# EAGLE board ControlModule-pan2 (EAGLE 7.2.0), part 3 of 9
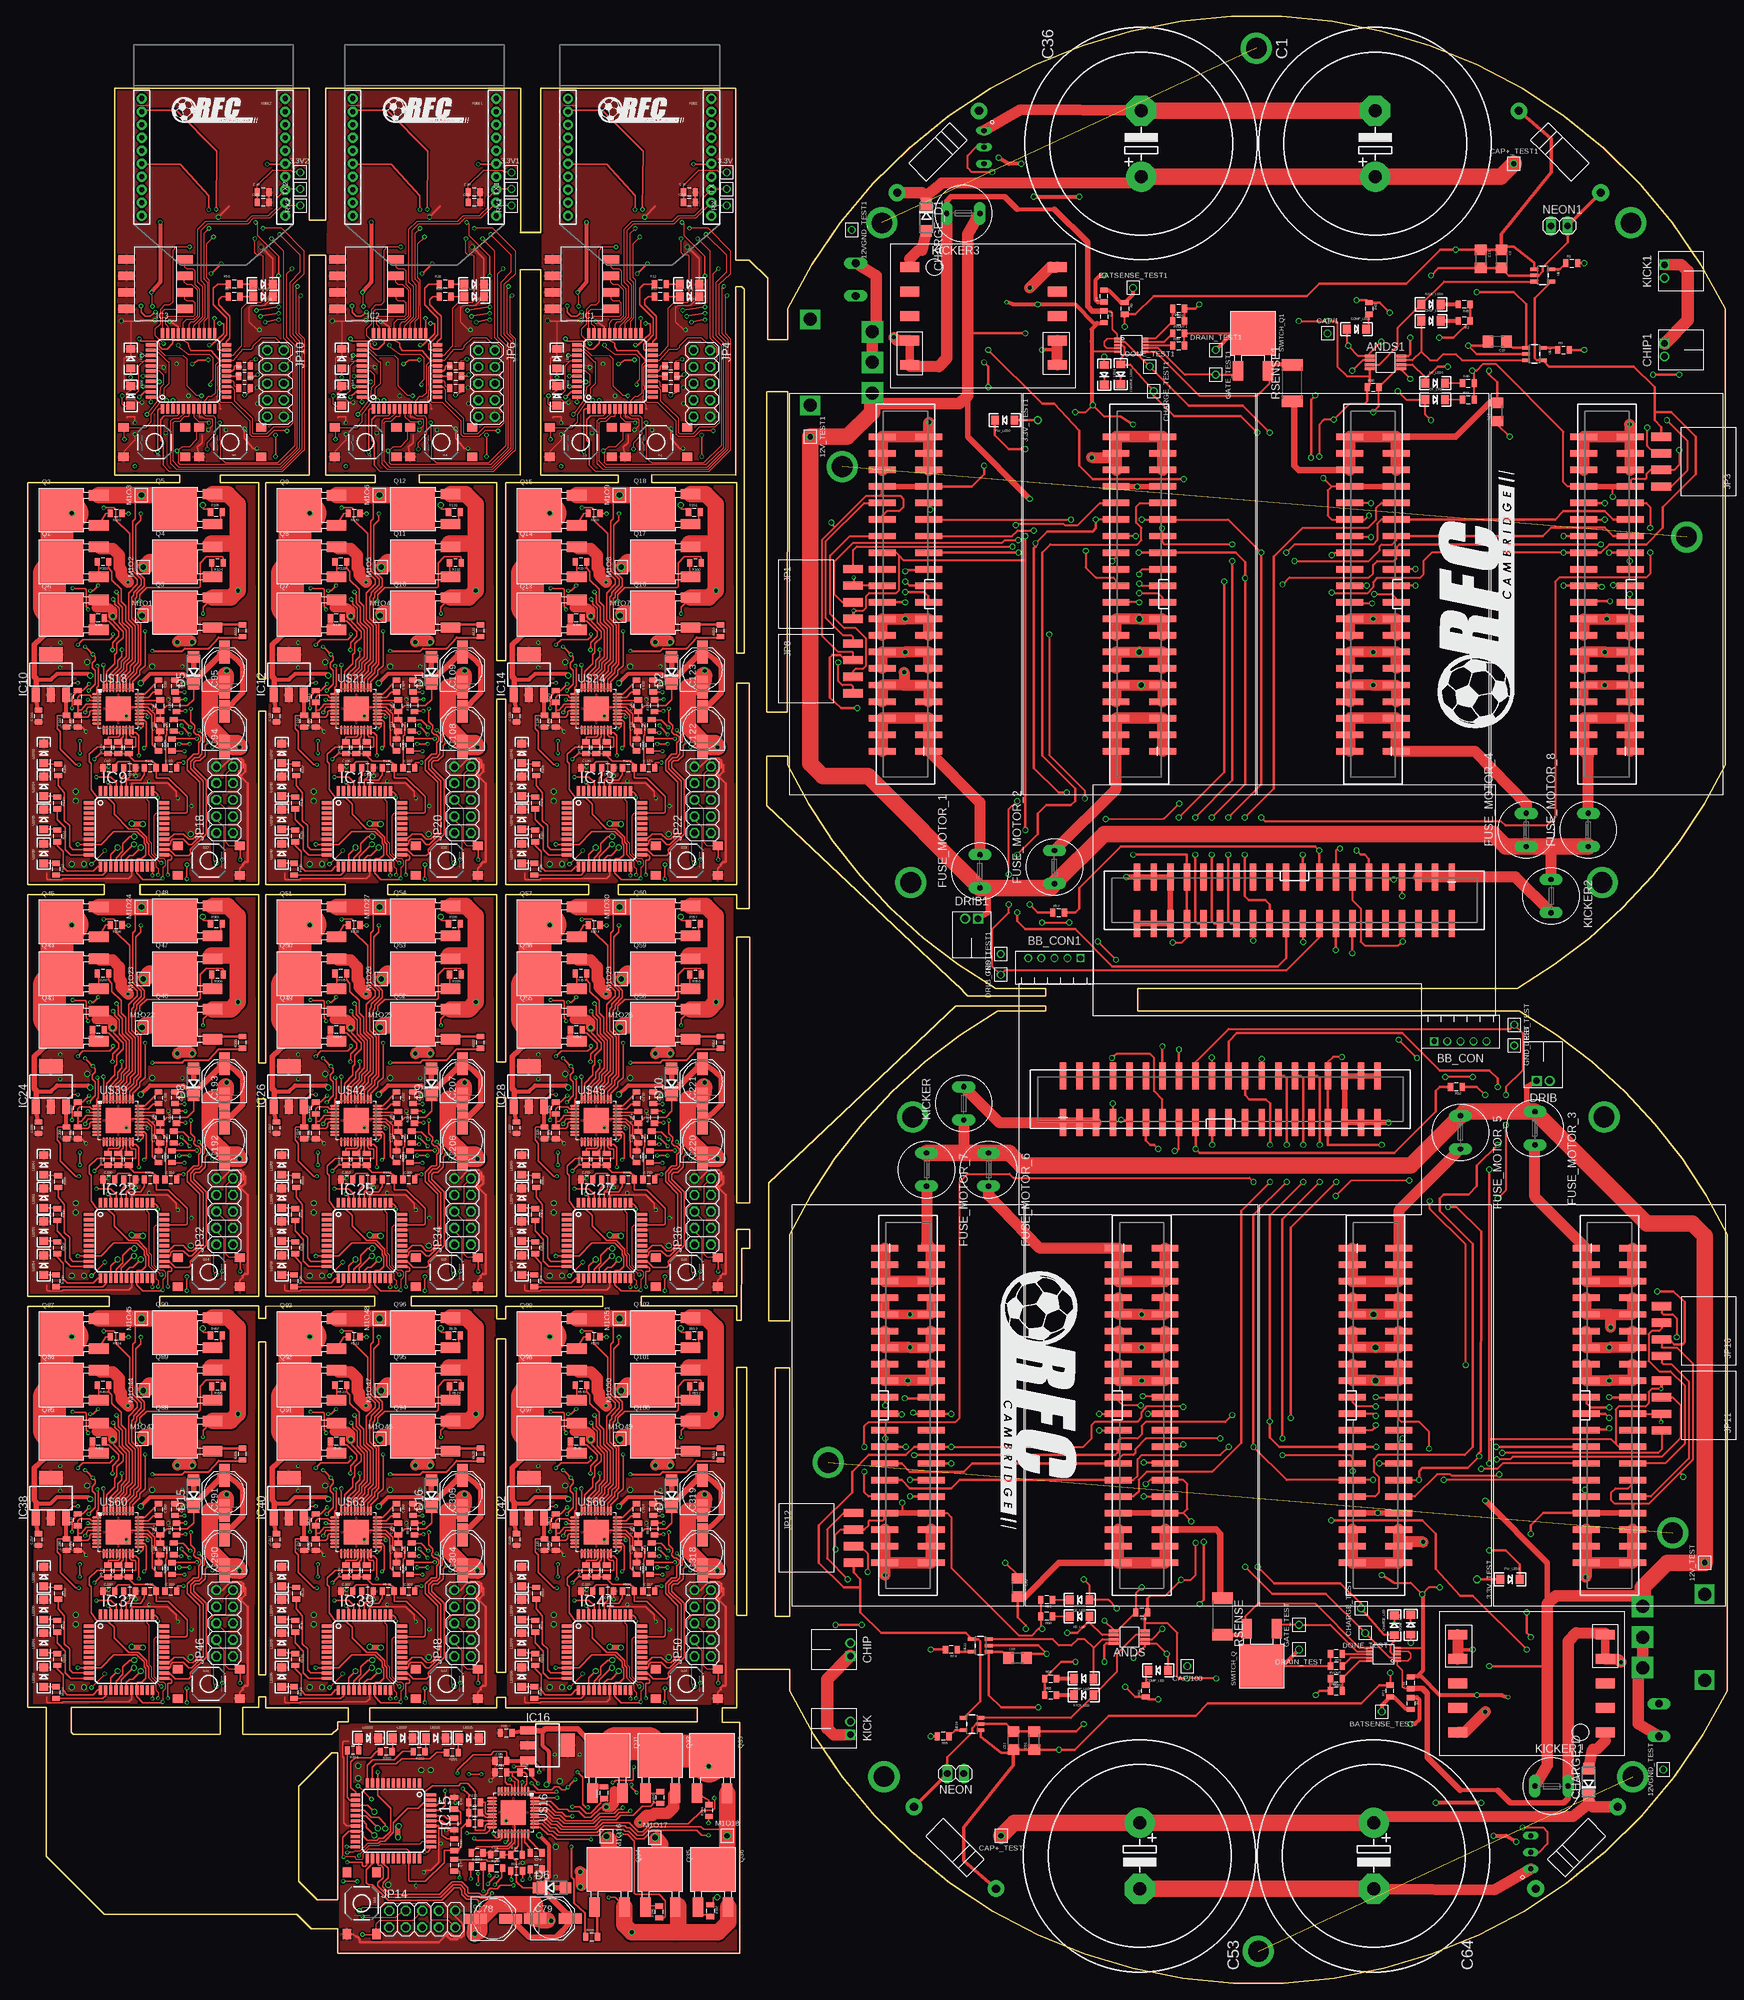
[diagram p0: board, top side]
## Tracks (layer width: path | path; a pad name or v marks a point on that pad's centre or on a via) (continued)
3.3V4  (via drill 0.38, 0.6) (continued)
  Bottom 0.61: C67.1 C66.1 225.39,72.29 C51.1 225.15,70.49 3.3REG4.SOURCE
3.3V6  (via drill 0.3, 0.38)
  Top 0.152: v48.46,19.37 50.21,19.37 50.21,19.21 50.47,18.95 51.22,18.95 51.48,19.21 51.48,19.85 52.27,20.64 58.14,20.64 58.46,20.32 58.46,19.15 IC15.31 | JP14.4 57.51,11.12 56.4,10 51.55,10 v51.36,10.2
  Top 0.254: C86.2 73.49,35.46 73.38,35.56 71.48,35.56 71,35.09 68.3,35.09 65.92,32.71 v65.92,32.23 | v48.46,19.37 48.3,19.53 48.3,22.39 49.27,23.33 IC15.19 51.24,23.34 51.32,23.34 51.48,23.18 51.48,22.55 52.09,21.94 53.58,21.94 53.86,22.21 54.56,22.21 55.67,23.31 55.67,26.84 53.68,28.83 IC15.9 53.68,32.21 v53.7,32.39 | IC16.3 77.44,34.2 78.46,33.18 v78.46,32.39 | IC15.31 58.46,19.11 58.46,15.79 58.63,15.63 61.01,15.63 63.86,18.48 63.86,20.32 63.91,20.38 R200.2 65.6,20.32 66.03,20.32 66.5,21.12 66.5,23.76 67.33,24.59 R210.1 R205.1 R211.1 67.64,28.96 v66.75,29.85
  Top 0.61: C86.2 76.57,34.13 IC16.3
  Bottom 0.178: R209.2 51.63,14.14 51.73,13.99 51.73,10.5 51.43,10.2 v51.36,10.2
  Bottom 0.254: v66.75,29.85 66.4,29.85 65.92,30.33 65.92,31.2 v65.92,32.23 | U$15.1 79.47,33.08 v78.46,32.39 78.3,32.23 73.07,32.23 72.11,31.28 JP13.26 | v48.46,19.37 48.3,19.05 48.3,18.23 49.09,17.44 49.09,10.96 49.85,10.2 v51.36,10.2 | v53.7,32.39 53.7,31.44 53.86,31.28 55.07,31.28 C80.1 C81.1
3.3V8  (via drill 0.3, 0.38)
  Top 0.152: v20.69,169.55 20.69,171.29 20.84,171.29 21.1,171.55 21.1,172.3 20.84,172.56 20.21,172.56 19.42,173.36 19.42,179.23 19.73,179.55 20.91,179.55 IC9.31 | JP18.4 28.94,178.6 30.05,177.49 30.05,172.64 v29.86,172.45
  Top 0.254: C102.2 4.6,194.58 4.49,194.47 4.49,192.57 4.97,192.09 4.97,189.39 7.35,187.01 v7.83,187.01 | v20.69,169.55 20.53,169.39 17.67,169.39 16.73,170.35 IC9.19 16.72,172.33 16.72,172.41 16.88,172.56 17.51,172.56 18.12,173.18 18.12,174.67 17.85,174.95 17.85,175.65 16.74,176.76 13.21,176.76 11.23,174.77 IC9.9 7.85,174.77 v7.67,174.79 | IC10.3 5.85,198.53 6.87,199.55 v7.67,199.55 | IC9.31 20.95,179.55 24.26,179.55 24.43,179.72 24.43,182.1 21.58,184.95 19.73,184.95 19.68,185 R108.2 19.73,186.69 19.73,187.12 18.94,187.59 16.29,187.59 15.47,188.42 R118.1 R113.1 R119.1 11.09,188.72 v10.21,187.84
  Top 0.61: C102.2 5.92,197.65 IC10.3
  Bottom 0.178: R117.2 25.92,172.72 26.06,172.82 29.56,172.82 29.86,172.52 v29.86,172.45
  Bottom 0.254: v10.21,187.84 10.21,187.49 9.73,187.01 8.86,187.01 v7.83,187.01 | U$17.1 6.97,200.56 v7.67,199.55 7.83,199.39 7.83,194.15 8.78,193.2 JP17.26 | v20.69,169.55 21,169.39 21.83,169.39 22.62,170.18 29.1,170.18 29.86,170.94 v29.86,172.45 | v7.67,174.79 8.62,174.79 8.78,174.95 8.78,176.16 C96.1 C97.1
3.3V9  (via drill 0.3, 0.38)
  Top 0.152: v57.2,169.55 57.2,171.29 57.36,171.29 57.62,171.55 57.62,172.3 57.36,172.56 56.72,172.56 55.93,173.36 55.93,179.23 56.25,179.55 57.42,179.55 IC11.31 | JP20.4 65.45,178.6 66.56,177.49 66.56,172.64 v66.37,172.45
  Top 0.254: C116.2 41.11,194.58 41.01,194.47 41.01,192.57 41.48,192.09 41.48,189.39 43.86,187.01 v44.34,187.01 | v57.2,169.55 57.04,169.39 54.18,169.39 53.24,170.35 IC11.19 53.23,172.33 53.23,172.41 53.39,172.56 54.02,172.56 54.63,173.18 54.63,174.67 54.36,174.95 54.36,175.65 53.25,176.76 49.73,176.76 47.74,174.77 IC11.9 44.36,174.77 v44.18,174.79 | IC12.3 42.36,198.53 43.39,199.55 v44.18,199.55 | IC11.31 57.46,179.55 60.78,179.55 60.94,179.72 60.94,182.1 58.09,184.95 56.25,184.95 56.19,185 R136.2 56.25,186.69 56.25,187.12 55.45,187.59 52.81,187.59 51.98,188.42 R146.1 R141.1 R147.1 47.61,188.72 v46.72,187.84
  Top 0.61: C116.2 42.43,197.65 IC12.3
  Bottom 0.178: R145.2 62.43,172.72 62.58,172.82 66.07,172.82 66.37,172.52 v66.37,172.45
  Bottom 0.254: v46.72,187.84 46.72,187.49 46.24,187.01 45.37,187.01 v44.34,187.01 | U$20.1 43.49,200.56 v44.18,199.55 44.34,199.39 44.34,194.15 45.29,193.2 JP19.26 | v57.2,169.55 57.52,169.39 58.34,169.39 59.13,170.18 65.61,170.18 66.37,170.94 v66.37,172.45 | v44.18,174.79 45.13,174.79 45.29,174.95 45.29,176.16 C110.1 C111.1
3.3V10  (via drill 0.3, 0.38)
  Top 0.152: v94.03,169.55 94.03,171.29 94.19,171.29 94.45,171.55 94.45,172.3 94.19,172.56 93.55,172.56 92.76,173.36 92.76,179.23 93.08,179.55 94.25,179.55 IC13.31 | JP22.4 102.28,178.6 103.39,177.49 103.39,172.64 v103.2,172.45
  Top 0.254: C130.2 77.94,194.58 77.84,194.47 77.84,192.57 78.31,192.09 78.31,189.39 80.69,187.01 v81.17,187.01 | v94.03,169.55 93.87,169.39 91.01,169.39 90.07,170.35 IC13.19 90.06,172.33 90.06,172.41 90.22,172.56 90.85,172.56 91.46,173.18 91.46,174.67 91.19,174.95 91.19,175.65 90.08,176.76 86.56,176.76 84.57,174.77 IC13.9 81.19,174.77 v81.01,174.79 | IC14.3 79.19,198.53 80.22,199.55 v81.01,199.55 | IC13.31 94.29,179.55 97.61,179.55 97.77,179.72 97.77,182.1 94.92,184.95 93.08,184.95 93.02,185 R164.2 93.08,186.69 93.08,187.12 92.28,187.59 89.64,187.59 88.81,188.42 R174.1 R169.1 R175.1 84.44,188.72 v83.55,187.84
  Top 0.61: C130.2 79.26,197.65 IC14.3
  Bottom 0.178: R173.2 99.26,172.72 99.41,172.82 102.9,172.82 103.2,172.52 v103.2,172.45
  Bottom 0.254: v83.55,187.84 83.55,187.49 83.07,187.01 82.2,187.01 v81.17,187.01 | U$23.1 80.32,200.56 v81.01,199.55 81.17,199.39 81.17,194.15 82.12,193.2 JP21.26 | v94.03,169.55 94.35,169.39 95.17,169.39 95.96,170.18 102.44,170.18 103.2,170.94 v103.2,172.45 | v81.01,174.79 81.96,174.79 82.12,174.95 82.12,176.16 C124.1 C125.1
3.3V15  (via drill 0.3, 0.38)
  Top 0.152: v20.69,106.37 20.69,108.11 20.84,108.11 21.1,108.37 21.1,109.12 20.84,109.38 20.21,109.38 19.42,110.18 19.42,116.05 19.73,116.37 20.91,116.37 IC23.31 | JP32.4 28.94,115.41 30.05,114.3 30.05,109.46 v29.86,109.26
  Top 0.254: C200.2 4.6,131.4 4.49,131.29 4.49,129.38 4.97,128.91 4.97,126.21 7.35,123.83 v7.83,123.83 | v20.69,106.37 20.53,106.21 17.67,106.21 16.73,107.17 IC23.19 16.72,109.15 16.72,109.22 16.88,109.38 17.51,109.38 18.12,109.99 18.12,111.49 17.85,111.76 17.85,112.47 16.74,113.57 13.21,113.57 11.23,111.59 IC23.9 7.85,111.59 v7.67,111.6 | IC24.3 5.85,135.35 6.87,136.37 v7.67,136.37 | IC23.31 20.95,116.37 24.26,116.37 24.43,116.53 24.43,118.91 21.58,121.76 19.73,121.76 19.68,121.82 R304.2 19.73,123.51 19.73,123.93 18.94,124.41 16.29,124.41 15.47,125.24 R314.1 R309.1 R315.1 11.09,125.54 v10.21,124.66
  Top 0.61: C200.2 5.92,134.47 IC24.3
  Bottom 0.178: R313.2 25.92,109.54 26.06,109.64 29.56,109.64 29.86,109.34 v29.86,109.26
  Bottom 0.254: v10.21,124.66 10.21,124.3 9.73,123.83 8.86,123.83 v7.83,123.83 | U$38.1 6.97,137.38 v7.67,136.37 7.83,136.21 7.83,130.97 8.78,130.02 JP31.26 | v20.69,106.37 21,106.21 21.83,106.21 22.62,107 29.1,107 29.86,107.76 v29.86,109.26 | v7.67,111.6 8.62,111.6 8.78,111.76 8.78,112.98 C194.1 C195.1
3.3V16  (via drill 0.3, 0.38)
  Top 0.152: v57.2,106.37 57.2,108.11 57.36,108.11 57.62,108.37 57.62,109.12 57.36,109.38 56.72,109.38 55.93,110.18 55.93,116.05 56.25,116.37 57.42,116.37 IC25.31 | JP34.4 65.45,115.41 66.56,114.3 66.56,109.46 v66.37,109.26
  Top 0.254: C214.2 41.11,131.4 41.01,131.29 41.01,129.38 41.48,128.91 41.48,126.21 43.86,123.83 v44.34,123.83 | v57.2,106.37 57.04,106.21 54.18,106.21 53.24,107.17 IC25.19 53.23,109.15 53.23,109.22 53.39,109.38 54.02,109.38 54.63,109.99 54.63,111.49 54.36,111.76 54.36,112.47 53.25,113.57 49.73,113.57 47.74,111.59 IC25.9 44.36,111.59 v44.18,111.6 | IC26.3 42.36,135.35 43.39,136.37 v44.18,136.37 | IC25.31 57.46,116.37 60.78,116.37 60.94,116.53 60.94,118.91 58.09,121.76 56.25,121.76 56.19,121.82 R332.2 56.25,123.51 56.25,123.93 55.45,124.41 52.81,124.41 51.98,125.24 R342.1 R337.1 R343.1 47.61,125.54 v46.72,124.66
  Top 0.61: C214.2 42.43,134.47 IC26.3
  Bottom 0.178: R341.2 62.43,109.54 62.58,109.64 66.07,109.64 66.37,109.34 v66.37,109.26
  Bottom 0.254: v46.72,124.66 46.72,124.3 46.24,123.83 45.37,123.83 v44.34,123.83 | U$41.1 43.49,137.38 v44.18,136.37 44.34,136.21 44.34,130.97 45.29,130.02 JP33.26 | v57.2,106.37 57.52,106.21 58.34,106.21 59.13,107 65.61,107 66.37,107.76 v66.37,109.26 | v44.18,111.6 45.13,111.6 45.29,111.76 45.29,112.98 C208.1 C209.1
3.3V17  (via drill 0.3, 0.38)
  Top 0.152: v94.03,106.37 94.03,108.11 94.19,108.11 94.45,108.37 94.45,109.12 94.19,109.38 93.55,109.38 92.76,110.18 92.76,116.05 93.08,116.37 94.25,116.37 IC27.31 | JP36.4 102.28,115.41 103.39,114.3 103.39,109.46 v103.2,109.26
  Top 0.254: C228.2 77.94,131.4 77.84,131.29 77.84,129.38 78.31,128.91 78.31,126.21 80.69,123.83 v81.17,123.83 | v94.03,106.37 93.87,106.21 91.01,106.21 90.07,107.17 IC27.19 90.06,109.15 90.06,109.22 90.22,109.38 90.85,109.38 91.46,109.99 91.46,111.49 91.19,111.76 91.19,112.47 90.08,113.57 86.56,113.57 84.57,111.59 IC27.9 81.19,111.59 v81.01,111.6 | IC28.3 79.19,135.35 80.22,136.37 v81.01,136.37 | IC27.31 94.29,116.37 97.61,116.37 97.77,116.53 97.77,118.91 94.92,121.76 93.08,121.76 93.02,121.82 R360.2 93.08,123.51 93.08,123.93 92.28,124.41 89.64,124.41 88.81,125.24 R370.1 R365.1 R371.1 84.44,125.54 v83.55,124.66
  Top 0.61: C228.2 79.26,134.47 IC28.3
  Bottom 0.178: R369.2 99.26,109.54 99.41,109.64 102.9,109.64 103.2,109.34 v103.2,109.26
  Bottom 0.254: v83.55,124.66 83.55,124.3 83.07,123.83 82.2,123.83 v81.17,123.83 | U$44.1 80.32,137.38 v81.01,136.37 81.17,136.21 81.17,130.97 82.12,130.02 JP35.26 | v94.03,106.37 94.35,106.21 95.17,106.21 95.96,107 102.44,107 103.2,107.76 v103.2,109.26 | v81.01,111.6 81.96,111.6 82.12,111.76 82.12,112.98 C222.1 C223.1
3.3V22  (via drill 0.3, 0.38)
  Top 0.152: v20.69,43.18 20.69,44.93 20.84,44.93 21.1,45.19 21.1,45.94 20.84,46.2 20.21,46.2 19.42,46.99 19.42,52.87 19.73,53.18 20.91,53.18 IC37.31 | JP46.4 28.94,52.23 30.05,51.12 30.05,46.28 v29.86,46.08
  Top 0.254: C298.2 4.6,68.21 4.49,68.11 4.49,66.2 4.97,65.73 4.97,63.03 7.35,60.65 v7.83,60.65 | v20.69,43.18 20.53,43.02 17.67,43.02 16.73,43.99 IC37.19 16.72,45.97 16.72,46.04 16.88,46.2 17.51,46.2 18.12,46.81 18.12,48.31 17.85,48.58 17.85,49.29 16.74,50.39 13.21,50.39 11.23,48.4 IC37.9 7.85,48.4 v7.67,48.42 | IC38.3 5.85,72.16 6.87,73.19 v7.67,73.19 | IC37.31 20.95,53.18 24.26,53.18 24.43,53.35 24.43,55.73 21.58,58.58 19.73,58.58 19.68,58.63 R500.2 19.73,60.33 19.73,60.75 18.94,61.23 16.29,61.23 15.47,62.05 R510.1 R505.1 R511.1 11.09,62.36 v10.21,61.47
  Top 0.61: C298.2 5.92,71.29 IC38.3
  Bottom 0.178: R509.2 25.92,46.35 26.06,46.46 29.56,46.46 29.86,46.15 v29.86,46.08
  Bottom 0.254: v10.21,61.47 10.21,61.12 9.73,60.64 8.86,60.64 v7.83,60.65 | U$59.1 6.97,74.2 v7.67,73.19 7.83,73.03 7.83,67.79 8.78,66.83 JP45.26 | v20.69,43.18 21,43.02 21.83,43.02 22.62,43.82 29.1,43.82 29.86,44.58 v29.86,46.08 | v7.67,48.42 8.62,48.42 8.78,48.58 8.78,49.8 C292.1 C293.1
3.3V23  (via drill 0.3, 0.38)
  Top 0.152: v57.2,43.18 57.2,44.93 57.36,44.93 57.62,45.19 57.62,45.94 57.36,46.2 56.72,46.2 55.93,46.99 55.93,52.87 56.25,53.18 57.42,53.18 IC39.31 | JP48.4 65.45,52.23 66.56,51.12 66.56,46.28 v66.37,46.08
  Top 0.254: C312.2 41.11,68.21 41.01,68.11 41.01,66.2 41.48,65.73 41.48,63.03 43.86,60.65 v44.34,60.65 | v57.2,43.18 57.04,43.02 54.18,43.02 53.24,43.99 IC39.19 53.23,45.97 53.23,46.04 53.39,46.2 54.02,46.2 54.63,46.81 54.63,48.31 54.36,48.58 54.36,49.29 53.25,50.39 49.73,50.39 47.74,48.4 IC39.9 44.36,48.4 v44.18,48.42 | IC40.3 42.36,72.16 43.39,73.19 v44.18,73.19 | IC39.31 57.46,53.18 60.78,53.18 60.94,53.35 60.94,55.73 58.09,58.58 56.25,58.58 56.19,58.63 R528.2 56.25,60.33 56.25,60.75 55.45,61.23 52.81,61.23 51.98,62.05 R538.1 R533.1 R539.1 47.61,62.36 v46.72,61.47
  Top 0.61: C312.2 42.43,71.29 IC40.3
  Bottom 0.178: R537.2 62.43,46.35 62.58,46.46 66.07,46.46 66.37,46.15 v66.37,46.08
  Bottom 0.254: v46.72,61.47 46.72,61.12 46.24,60.64 45.37,60.64 v44.34,60.65 | U$62.1 43.49,74.2 v44.18,73.19 44.34,73.03 44.34,67.79 45.29,66.83 JP47.26 | v57.2,43.18 57.52,43.02 58.34,43.02 59.13,43.82 65.61,43.82 66.37,44.58 v66.37,46.08 | v44.18,48.42 45.13,48.42 45.29,48.58 45.29,49.8 C306.1 C307.1
3.3V24  (via drill 0.3, 0.38)
  Top 0.152: v94.03,43.18 94.03,44.93 94.19,44.93 94.45,45.19 94.45,45.94 94.19,46.2 93.55,46.2 92.76,46.99 92.76,52.87 93.08,53.18 94.25,53.18 IC41.31 | JP50.4 102.28,52.23 103.39,51.12 103.39,46.28 v103.2,46.08
  Top 0.254: C326.2 77.94,68.21 77.84,68.11 77.84,66.2 78.31,65.73 78.31,63.03 80.69,60.65 v81.17,60.65 | v94.03,43.18 93.87,43.02 91.01,43.02 90.07,43.99 IC41.19 90.06,45.97 90.06,46.04 90.22,46.2 90.85,46.2 91.46,46.81 91.46,48.31 91.19,48.58 91.19,49.29 90.08,50.39 86.56,50.39 84.57,48.4 IC41.9 81.19,48.4 v81.01,48.42 | IC42.3 79.19,72.16 80.22,73.19 v81.01,73.19 | IC41.31 94.29,53.18 97.61,53.18 97.77,53.35 97.77,55.73 94.92,58.58 93.08,58.58 93.02,58.63 R556.2 93.08,60.33 93.08,60.75 92.28,61.23 89.64,61.23 88.81,62.05 R566.1 R561.1 R567.1 84.44,62.36 v83.55,61.47
  Top 0.61: C326.2 79.26,71.29 IC42.3
  Bottom 0.178: R565.2 99.26,46.35 99.41,46.46 102.9,46.46 103.2,46.15 v103.2,46.08
  Bottom 0.254: v83.55,61.47 83.55,61.12 83.07,60.64 82.2,60.64 v81.17,60.65 | U$65.1 80.32,74.2 v81.01,73.19 81.17,73.03 81.17,67.79 82.12,66.83 JP49.26 | v94.03,43.18 94.35,43.02 95.17,43.02 95.96,43.82 102.44,43.82 103.2,44.58 v103.2,46.08 | v81.01,48.42 81.96,48.42 82.12,48.58 82.12,49.8 C320.1 C321.1
5V  (via drill 0.3)
  Top 0.254: U$18.24 18.13,194.83 18.37,194.6 v18.37,194.37 | C99.2 22.64,198.12 v24.02,198.12 | v6.78,195.66 6.78,197.36 R123.2 8.41,198.39 v9.41,199.39 | v9.58,213.7 10,213.7 v10.79,214.5
  Bottom 0.254: v24.02,198.12 22.75,196.85 22.75,195.58 | v6.78,195.66 5.76,194.55 5.76,190.19 6.21,189.74 15.92,189.74 16.08,190.03 16.08,192.73 v18.37,194.37 22.27,194.47 22.75,194.95 22.75,195.58 | 22.75,195.58 20.44,195.58 JP17.23 | R116.2 R114.2 10.68,215.27 v10.79,214.5 | v9.58,213.7 9.36,213.47 R115.2 10.05,212.04 10.05,210.51 9.41,209.87 9.41,204.47 8.14,203.2 8.14,201.71 8.74,201.11 8.74,200.06 v9.41,199.39
5V1  (via drill 0.3)
  Top 0.254: U$21.24 54.65,194.83 54.88,194.6 v54.88,194.37 | C113.2 59.16,198.12 v60.53,198.12 | v43.29,195.66 43.29,197.36 R151.2 44.92,198.39 v45.93,199.39 | v46.09,213.7 46.51,213.7 v47.31,214.5
  Bottom 0.254: v60.53,198.12 59.26,196.85 59.26,195.58 | v43.29,195.66 42.28,194.55 42.28,190.19 42.72,189.74 52.44,189.74 52.59,190.03 52.59,192.73 v54.88,194.37 58.79,194.47 59.26,194.95 59.26,195.58 | 59.26,195.58 56.96,195.58 JP19.23 | R144.2 R142.2 47.2,215.27 v47.31,214.5 | v46.09,213.7 45.87,213.47 R143.2 46.56,212.04 46.56,210.51 45.93,209.87 45.93,204.47 44.66,203.2 44.66,201.71 45.26,201.11 45.26,200.06 v45.93,199.39
5V2  (via drill 0.3)
  Top 0.254: U$24.24 91.48,194.83 91.71,194.6 v91.71,194.37 | C127.2 95.99,198.12 v97.36,198.12 | v80.12,195.66 80.12,197.36 R179.2 81.75,198.39 v82.76,199.39 | v82.92,213.7 83.34,213.7 v84.14,214.5
  Bottom 0.254: v97.36,198.12 96.09,196.85 96.09,195.58 | v80.12,195.66 79.11,194.55 79.11,190.19 79.55,189.74 89.27,189.74 89.42,190.03 89.42,192.73 v91.71,194.37 95.62,194.47 96.09,194.95 96.09,195.58 | 96.09,195.58 93.79,195.58 JP21.23 | R172.2 R170.2 84.03,215.27 v84.14,214.5 | v82.92,213.7 82.7,213.47 R171.2 83.39,212.04 83.39,210.51 82.76,209.87 82.76,204.47 81.49,203.2 81.49,201.71 82.09,201.11 82.09,200.06 v82.76,199.39
5V5  (via drill 0.3)
  Top 0.254: U$16.24 73.74,21.92 73.51,21.69 v73.28,21.68 | C83.2 77.03,17.41 v77.03,16.04 | v74.57,33.28 76.27,33.28 R215.2 77.3,31.65 v78.3,30.64 | v92.61,30.48 92.61,30.05 v93.41,29.26
  Bottom 0.254: v77.03,16.04 75.76,17.31 74.49,17.31 | v74.57,33.28 73.46,34.29 69.1,34.29 68.65,33.85 68.65,24.13 68.94,23.97 71.64,23.97 v73.28,21.68 73.38,17.78 73.86,17.31 74.49,17.31 | 74.49,17.31 74.49,19.61 JP13.23 | R208.2 R206.2 94.18,29.37 v93.41,29.26 | v92.61,30.48 92.38,30.69 R207.2 90.95,30.01 89.42,30.01 88.78,30.64 83.38,30.64 82.11,31.91 80.62,31.91 80.02,31.31 78.98,31.31 v78.3,30.64
5V7  (via drill 0.3)
  Top 0.254: U$39.24 18.13,131.65 18.37,131.42 v18.37,131.18 | C197.2 22.64,134.94 v24.02,134.94 | v6.78,132.48 6.78,134.17 R319.2 8.41,135.21 v9.41,136.21 | v9.58,150.52 10,150.52 v10.79,151.31
  Bottom 0.254: v24.02,134.94 22.75,133.67 22.75,132.4 | v6.78,132.48 5.76,131.37 5.76,127 6.21,126.56 15.92,126.56 16.08,126.84 16.08,129.54 v18.37,131.18 22.27,131.29 22.75,131.77 22.75,132.4 | 22.75,132.4 20.44,132.4 JP31.23 | R312.2 R310.2 10.68,152.09 v10.79,151.31 | v9.58,150.52 9.36,150.29 R311.2 10.05,148.86 10.05,147.32 9.41,146.69 9.41,141.29 8.14,140.02 8.14,138.52 8.74,137.92 8.74,136.88 v9.41,136.21
5V8  (via drill 0.3)
  Top 0.254: U$42.24 54.65,131.65 54.88,131.42 v54.88,131.18 | C211.2 59.16,134.94 v60.53,134.94 | v43.29,132.48 43.29,134.17 R347.2 44.92,135.21 v45.93,136.21 | v46.09,150.52 46.51,150.52 v47.31,151.31
  Bottom 0.254: v60.53,134.94 59.26,133.67 59.26,132.4 | v43.29,132.48 42.28,131.37 42.28,127 42.72,126.56 52.44,126.56 52.59,126.84 52.59,129.54 v54.88,131.18 58.79,131.29 59.26,131.77 59.26,132.4 | 59.26,132.4 56.96,132.4 JP33.23 | R340.2 R338.2 47.2,152.09 v47.31,151.31 | v46.09,150.52 45.87,150.29 R339.2 46.56,148.86 46.56,147.32 45.93,146.69 45.93,141.29 44.66,140.02 44.66,138.52 45.26,137.92 45.26,136.88 v45.93,136.21
5V9  (via drill 0.3)
  Top 0.254: U$45.24 91.48,131.65 91.71,131.42 v91.71,131.18 | C225.2 95.99,134.94 v97.36,134.94 | v80.12,132.48 80.12,134.17 R375.2 81.75,135.21 v82.76,136.21 | v82.92,150.52 83.34,150.52 v84.14,151.31
  Bottom 0.254: v97.36,134.94 96.09,133.67 96.09,132.4 | v80.12,132.48 79.11,131.37 79.11,127 79.55,126.56 89.27,126.56 89.42,126.84 89.42,129.54 v91.71,131.18 95.62,131.29 96.09,131.77 96.09,132.4 | 96.09,132.4 93.79,132.4 JP35.23 | R368.2 R366.2 84.03,152.09 v84.14,151.31 | v82.92,150.52 82.7,150.29 R367.2 83.39,148.86 83.39,147.32 82.76,146.69 82.76,141.29 81.49,140.02 81.49,138.52 82.09,137.92 82.09,136.88 v82.76,136.21
5V14  (via drill 0.3)
  Top 0.254: U$60.24 18.13,68.47 18.37,68.24 v18.37,68 | C295.2 22.64,71.76 v24.02,71.76 | v6.78,69.29 6.78,70.99 R515.2 8.41,72.02 v9.41,73.03 | v9.58,87.34 10,87.34 v10.79,88.13
  Bottom 0.254: v24.02,71.76 22.75,70.49 22.75,69.22 | v6.78,69.29 5.76,68.19 5.76,63.82 6.21,63.38 15.92,63.38 16.08,63.66 16.08,66.36 v18.37,68 22.27,68.11 22.75,68.58 22.75,69.22 | 22.75,69.22 20.44,69.22 JP45.23 | R508.2 R506.2 10.68,88.9 v10.79,88.13 | v9.58,87.34 9.36,87.1 R507.2 10.05,85.68 10.05,84.14 9.41,83.51 9.41,78.11 8.14,76.84 8.14,75.34 8.74,74.74 8.74,73.7 v9.41,73.03
5V15  (via drill 0.3)
  Top 0.254: U$63.24 54.65,68.47 54.88,68.24 v54.88,68 | C309.2 59.16,71.76 v60.53,71.76 | v43.29,69.29 43.29,70.99 R543.2 44.92,72.02 v45.93,73.03 | v46.09,87.34 46.51,87.34 v47.31,88.13
  Bottom 0.254: v60.53,71.76 59.26,70.49 59.26,69.22 | v43.29,69.29 42.28,68.19 42.28,63.82 42.72,63.38 52.44,63.38 52.59,63.66 52.59,66.36 v54.88,68 58.79,68.11 59.26,68.58 59.26,69.22 | 59.26,69.22 56.96,69.22 JP47.23 | R536.2 R534.2 47.2,88.9 v47.31,88.13 | v46.09,87.34 45.87,87.1 R535.2 46.56,85.68 46.56,84.14 45.93,83.51 45.93,78.11 44.66,76.84 44.66,75.34 45.26,74.74 45.26,73.7 v45.93,73.03
5V16  (via drill 0.3)
  Top 0.254: U$66.24 91.48,68.47 91.71,68.24 v91.71,68 | C323.2 95.99,71.76 v97.36,71.76 | v80.12,69.29 80.12,70.99 R571.2 81.75,72.02 v82.76,73.03 | v82.92,87.34 83.34,87.34 v84.14,88.13
  Bottom 0.254: v97.36,71.76 96.09,70.49 96.09,69.22 | v80.12,69.29 79.11,68.19 79.11,63.82 79.55,63.38 89.27,63.38 89.42,63.66 89.42,66.36 v91.71,68 95.62,68.11 96.09,68.58 96.09,69.22 | 96.09,69.22 93.79,69.22 JP49.23 | R564.2 R562.2 84.03,88.9 v84.14,88.13 | v82.92,87.34 82.7,87.1 R563.2 83.39,85.68 83.39,84.14 82.76,83.51 82.76,78.11 81.49,76.84 81.49,75.34 82.09,74.74 82.09,73.7 v82.76,73.03
12V  (via drill 0.6)
  Top 0.305: v168.3,254.2 R6.2
  Top 0.406: U$7.1 231.14,264.02 227.99,266.53 226.09,266.53 C5.1 C13.1 v219.1,266.03 216.69,266.03 211.48,260.82 198.15,260.82 196.24,258.91 172.75,258.91 169.94,256.11 R6.2 | v222.28,259.55 227.99,259.55 229.87,257.67 U$1.1 227.81,250.97 C37.1 | C34.1 225.45,239.23 v227.36,237.32 | v153.06,253.2 144.17,253.2
  Top 0.508: U$28.- 233.71,283.04 233.71,277.96 226.09,268.44 C5.1
  Top 0.61: ON/OFF1.IN2 129.82,242.4
  Top 0.813: DRIB1.1 147.35,164.3 147.35,166.84 FUSE_MOTOR_1.1 | v153.7,227.8 144.17,237.32 144.17,243.67
  Top 1.676: KICKER2.1 233.71,173.82 234.34,174.46 234.98,174.46
  Top 1.778: 129.82,242.4 142.9,242.4 144.17,243.67 144.17,253.2 144.17,268.44 KICKER3.1
  Top 2.54: ON/OFF1.IN2 129.57,241.13 125.76,237.32 12V_TEST1.P$1 120.04,187.16 121.95,185.25 128.93,185.25 FUSE_MOTOR_1.1 156.87,168.11 FUSE_MOTOR_2.1 165.13,176.36 224.82,176.36 226.72,174.46 FUSE_MOTOR_4.1 234.98,174.46 FUSE_MOTOR_8.1
  Bottom 0.406: v219.1,266.03 219.1,262.72 v222.28,259.55 227.36,254.47 v227.36,237.32 | v168.3,254.2 154.07,254.2 v153.06,253.2
  Bottom 0.61: R50.1 146.08,266.27 KICKER3.1
  Bottom 0.813: 3.3REG3.GATE 156.92,226.84 154.65,226.84 v153.7,227.8
12V1  (via drill 0.41 pad 0.25)
  Top 0.178: v84.52,257.34 84.52,259.01 v84.36,259.48
  Top 0.61: v85.71,270.27 85.7,261.09 v84.36,259.48
  Bottom 0.152: C21.1 84.99,249.32 84.36,248.69 84.36,246.31 83.88,245.67 83.88,244.8 82.86,244.09 82.8,244.04 82.8,244.05 82.26,244.05 82.25,244.04 82.09,244.04 81.82,243.77 81.82,243.13 82.13,242.81 82.45,241.94 83.56,241.94 83.64,243.21 85.15,243.61 85.36,243.82 R23.2
  Bottom 0.178: v84.52,257.34 84.2,256.86 84.2,254.72 85.28,253.64 C19.1
  Bottom 0.61: C21.1 C20.1 85.36,252.07 85.36,252.55 86.4,252.58 86.4,253.09 C19.1 | JP2.5 JP2.3 JP2.1 JP2.2 JP2.4 JP2.6 87.53,280.44 85.7,278.59 v85.71,270.27 | v84.36,259.48 85.99,259.48 3.3REG.GATE
12V2  (via drill 0.41 pad 0.25)
  Top 0.178: v51.5,257.34 51.5,259.01 v51.34,259.48
  Top 0.61: v52.69,270.27 52.68,261.09 v51.34,259.48
  Bottom 0.152: C32.1 51.97,249.32 51.34,248.69 51.34,246.31 50.86,245.67 50.86,244.8 49.84,244.09 49.78,244.04 49.78,244.05 49.24,244.05 49.23,244.04 49.07,244.04 48.8,243.77 48.8,243.13 49.11,242.81 49.43,241.94 50.54,241.94 50.62,243.21 52.13,243.61 52.34,243.82 R35.2
  Bottom 0.178: v51.5,257.34 51.18,256.86 51.18,254.72 52.26,253.64 C30.1
  Bottom 0.61: C32.1 C31.1 52.34,252.07 52.34,252.55 53.38,252.58 53.38,253.09 C30.1 | JP5.5 JP5.3 JP5.1 JP5.2 JP5.4 JP5.6 54.51,280.44 52.68,278.59 v52.69,270.27 | v51.34,259.48 52.97,259.48 3.3REG1.GATE
12V3  (via drill 0.41 pad 0.25)
  Top 0.178: v19.11,257.34 19.11,259.01 v18.95,259.48
  Top 0.61: v20.3,270.27 20.29,261.09 v18.95,259.48
  Bottom 0.152: C49.1 19.59,249.32 18.95,248.69 18.95,246.31 18.48,245.67 18.48,244.8 17.45,244.09 17.4,244.04 17.39,244.05 16.86,244.05 16.85,244.04 16.68,244.04 16.41,243.77 16.41,243.13 16.73,242.81 17.05,241.94 18.16,241.94 18.24,243.21 19.75,243.61 19.96,243.82 R63.2
  Bottom 0.178: v19.11,257.34 18.79,256.86 18.79,254.72 19.88,253.64 C47.1
  Bottom 0.61: C49.1 C48.1 19.96,252.07 19.96,252.55 21,252.58 20.99,253.09 C47.1 | JP9.5 JP9.3 JP9.1 JP9.2 JP9.4 JP9.6 22.13,280.44 20.3,278.59 v20.3,270.27 | v18.95,259.48 20.58,259.48 3.3REG2.GATE
12V4  (via drill 0.6)
  Top 0.305: v209.01,47.66 R71.2
  Top 0.406: U$34.1 146.17,37.84 149.32,35.33 151.22,35.33 C57.1 C61.1 v158.21,35.83 160.62,35.83 165.83,41.04 179.16,41.04 181.07,42.95 204.56,42.95 207.37,45.75 R71.2 | v155.03,42.31 149.32,42.31 147.44,44.19 U$32.1 149.5,50.89 C65.1 | C62.1 151.86,62.63 v149.95,64.54 | v224.25,48.66 233.14,48.66
  Top 0.508: U$52.- 143.6,18.82 143.6,23.9 151.22,33.42 C57.1
  Top 0.61: ON/OFF.IN2 247.49,59.46
  Top 0.813: DRIB.1 229.96,137.56 229.96,135.02 FUSE_MOTOR_3.1 | v223.61,74.06 233.14,64.54 233.14,58.19
  Top 1.676: KICKER.1 143.6,128.04 142.97,127.4 142.33,127.4
  Top 1.778: 247.49,59.46 234.41,59.46 233.14,58.19 233.14,48.66 233.14,33.42 KICKER1.1
  Top 2.54: ON/OFF.IN2 247.74,60.73 251.55,64.54 12V_TEST.P$1 257.27,114.7 255.36,116.61 248.38,116.61 FUSE_MOTOR_3.1 220.44,133.75 FUSE_MOTOR_5.1 212.18,125.5 152.49,125.5 150.59,127.4 FUSE_MOTOR_6.1 142.33,127.4 FUSE_MOTOR_7.1
  Bottom 0.406: v158.21,35.83 158.21,39.14 v155.03,42.31 149.95,47.39 v149.95,64.54 | v209.01,47.66 223.24,47.66 v224.25,48.66
  Bottom 0.61: R90.1 231.23,35.59 KICKER1.1
  Bottom 0.813: 3.3REG4.GATE 220.39,75.02 222.66,75.02 v223.61,74.06
12V6  (via drill 0.6)
  Top 0.254: C82.1 C84.2 71.82,18.73 70.54,18.73 70.34,18.93 65.51,18.93 C77.1 65.55,19 65.6,19.05 | U$16.27 75.24,21.12 C82.1 | C82.1 74.07,19.64 74.97,18.74 74.97,15.56 75.92,14.61 78.35,14.61 D6.C
  Top 0.61: IC16.1 76.57,38.9 C85.2 75.92,38.74 78.94,38.74 78.94,36.52 79.89,35.56 79.89,30.8 v79.57,30.48 | v78.46,22.7 79.89,21.28 79.89,16.15 D6.C
  Top 0.813: 74.02,9.85 C78.+ 76.95,7.04 81.06,7.04 82.11,8.1 83.2,9.5 C79.+ 83.07,10.64 82.66,10.64 78.66,14.64 D6.C | Q31.DRAIN 88.15,34.93 84.34,39.06 79.42,39.06 79.1,38.74 78.94,38.74 77.02,38.74 IC16.1
  Top 5.08: Q31.DRAIN 88.94,35.51 90.18,36.75 95.22,36.75 Q32.DRAIN 98.02,34.93 98.7,35.61 104.29,35.61 Q33.DRAIN 104.44,34.4 v104.5,33.3
  Bottom 0.61: v79.57,30.48 79.42,30.48 78.46,29.53 v78.46,22.7
  Bottom 0.813: JP13.5 JP13.3 JP13.1 | JP13.6 JP13.4 | JP13.2 102.1,26.41 100.05,26.41
  Bottom 5.08: v104.5,33.3 104.08,32.44 104.08,31.68 100.05,27.66 JP13.4 100.05,26.41 JP13.3
12V8  (via drill 0.6)
  Top 0.254: C98.1 C100.2 21.33,192.91 21.33,191.63 21.12,191.43 21.12,186.6 C93.1 21.06,186.64 21,186.69 | U$18.27 18.94,196.33 C98.1 | C98.1 20.42,195.16 21.32,196.06 24.5,196.06 25.45,197.01 25.45,199.43 D5.C